# Altium PCB controller_V1.1.PcbDoc (part 2 of 6)
Units mm, origin at the board's own origin, x right, y up, seen from the top; angles counter-clockwise.
Board outline 150 x 150 mm, 2 copper layers (Top Layer, Bottom Layer); 287 components, 242 nets, 1096 pads, 5968 vias.
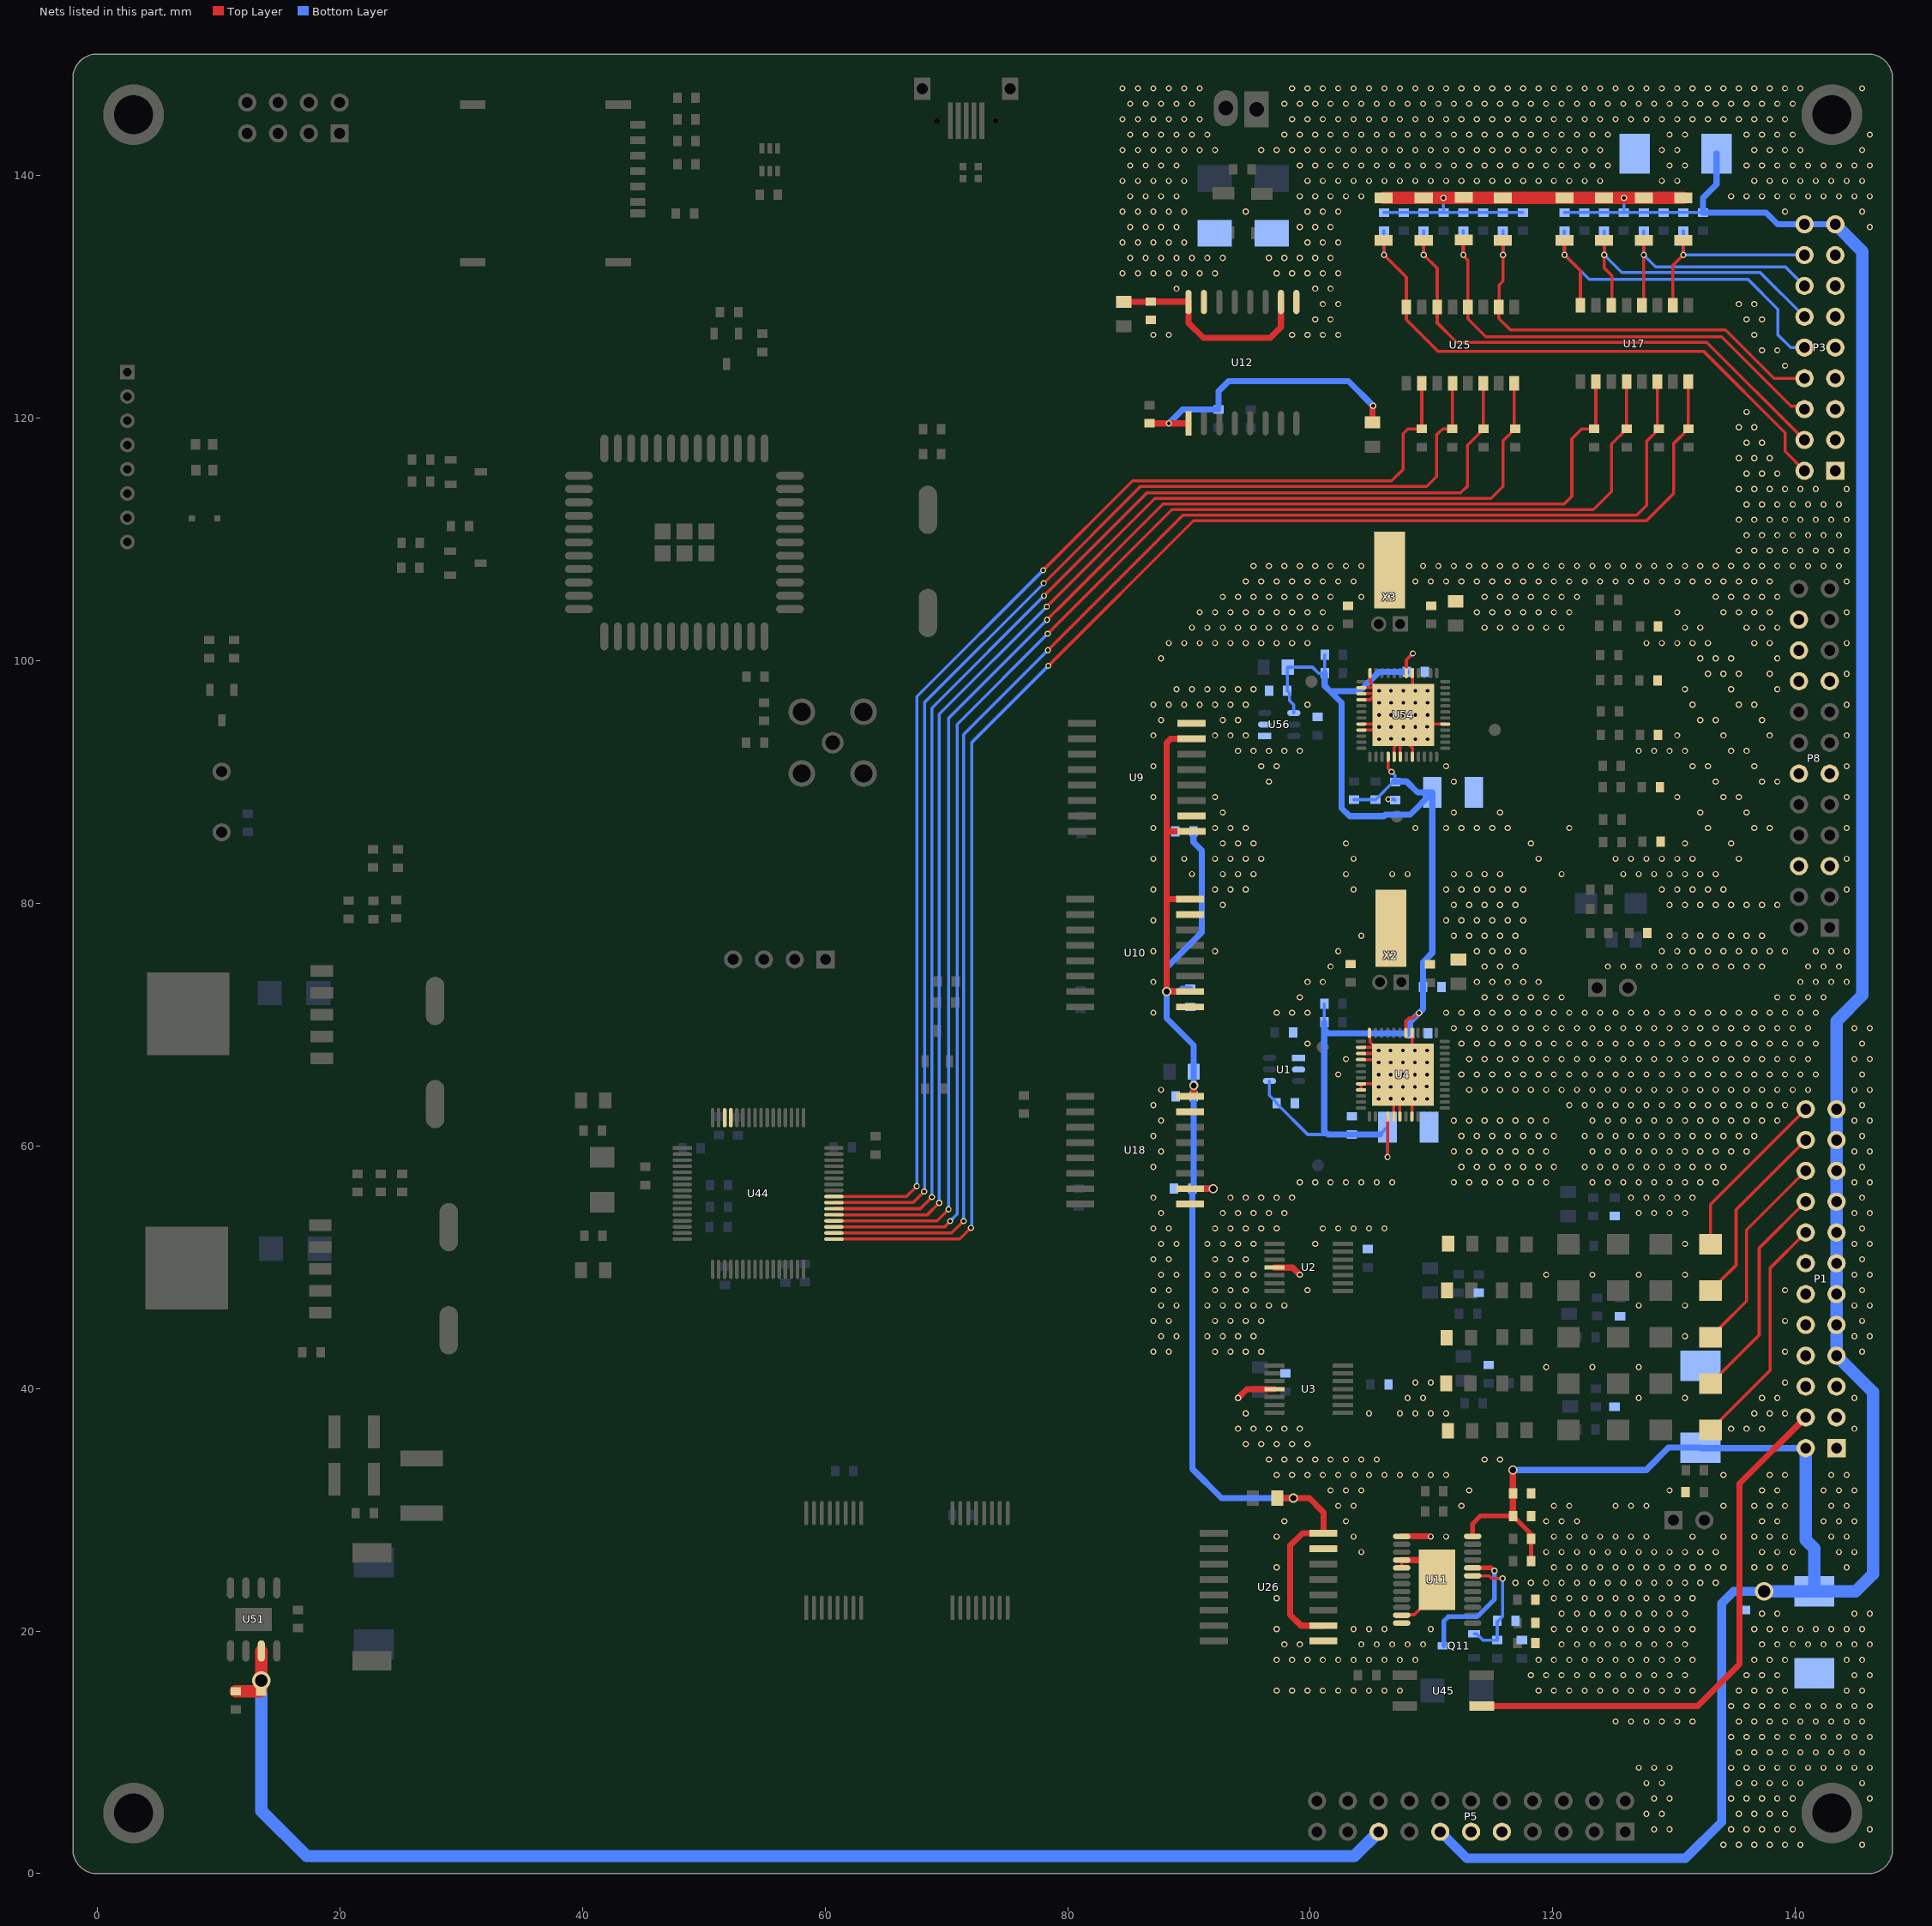
[diagram p2: the nets of this part, all layers, seen from the top]

## Via types
v1: diameter 0.508, hole 0.305, Top Layer to Bottom Layer, tented both sides, 5878 vias
v2: diameter 0.6, hole 0.3, Top Layer to Bottom Layer, 50 vias
v3: diameter 0.762, hole 0.508, Top Layer to Bottom Layer, tented both sides, 30 vias
v4: diameter 1.524, hole 1.016, Top Layer to Bottom Layer, tented both sides, 8 vias
v5: diameter 1.5, hole 1, Top Layer to Bottom Layer, 1 vias
v6: diameter 1.016, hole 0.762, Top Layer to Bottom Layer, tented both sides, 1 vias

## Nets (pads, with @x,y where several pads share a name; then routed paths per layer and width w, separated by ;. In a path a pad name is that pad's centre, name@x,y a point inside that pad or via, vN(x,y) a via of type N, cw(c..) or ccw(c..) an arc to the next point about the centre after c; other vN are vias at no path point) (continued)
5VA: C2.2 C84.2 C85.2 C86.2 C121.2 C133.2 C157.2 E13.1 E14.1 FB2.2 R19.1 R20.1 R73.1 R75.1 R189.1 R190.1 U1.4 U4.6 U4.28 U54.6 U54.28 U56.4 | length 109.1
  Top Layer w0.254: v1(106.375,59.08) 106.385,59.09 U4.28@106.385,62.412 ; U54.28@106.421,92.071 106.421,91.115 v1(106.705,90.83) ; U4.6@107.885,69.312 107.885,70.293 108.126,70.534 108.489,70.534 v1@108.897,70.942 ; U54.6@107.921,98.971 107.921,100.047 v1(108.458,100.584)
  Bottom Layer w0.254: U1.4@96.638,65.344 96.638,64.164 97.227,63.575 C2.2@97.227,63.5 99.794,60.933 101.448,60.933 ; U56.4@98.645,95.684 98.645,96.344 98.293,96.697 98.293,97.318 C157.2@98.108,97.503 98.108,99.417 FB2.2@98.15,99.458 100.186,99.458 100.694,98.95 R75.1@101.194,98.95 R190.1@101.194,100.474 ; R73.1@101.158,70.18 R20.1@101.158,71.704 ; R189.1@103.607,88.536 R19.1@105.385,88.536 106.885,90.036 C85.2@106.909,90.036 ; E14.1@105.754,60.933 E14.1@106.365,61.544 106.375,61.534 v1(106.375,59.08) ; v1(106.705,90.83) 106.985,90.551 106.985,90.036 C85.2@106.985,89.994 ; C121.2@107.947,68.985 C121.2@108.228,69.266 ; C86.2@107.949,99.077 107.949,100.075 v1(108.458,100.584)
  Bottom Layer w0.508: R73.1@101.158,70.18 101.158,69.605 ; R75.1@101.194,98.95 101.194,97.917 101.625,97.485 ; E14.1@105.754,60.933 C84.2@103.444,60.933 101.448,60.933 101.158,61.223 101.158,69.605 ; C85.2@106.909,90.036 106.985,90.036 107.931,90.036 108.839,89.129 E13.1@110.058,89.129 ; C86.2@107.949,99.077 105.681,99.077 104.089,97.485 101.625,97.485 ; 101.158,69.605 101.497,69.266 C121.2@108.228,69.266 108.228,70.204 v1(108.966,70.942) 109.31,71.286 C133.2@109.31,73.101 109.31,75.147 110.058,75.895 E13.1@110.058,89.129 ; 101.625,97.485 102.591,96.52 102.591,87.833 103.251,87.173 106.081,87.173 106.208,87.3 108.229,87.3 E13.1@110.058,89.129
5VD_F: C138.2 C160.2 C164.2 C165.2 FB1.2 FB3.2 U9.1 U9.7 U10.10 U10.16 U18.10 U18.16 U26.10 U26.16 | length 117.3
  Top Layer w0.508: U18.10@90.091,56.464 v3(91.999,56.464) ; U10.10@90.091,72.72 v3(88.163,72.72) 88.163,80.239 ; U10.16@90.091,80.34 88.265,80.34 88.163,80.239 ; U9.1@90.218,85.928 88.29,85.928 88.163,85.801 ; U9.7@90.218,93.548 88.494,93.548 88.163,93.218 88.163,85.801 ; 90.4,64.393 v3(90.4,64.973) ; FB1.2@97.275,30.963 v3(98.603,30.963) 99.924,30.963 101.089,29.798 U26.16@101.089,28.067 99.365,28.067 98.349,27.051 98.349,21.336 99.238,20.447 U26.10@101.089,20.447 ; 88.163,80.239 88.163,85.801
  Bottom Layer w0.508: C160.2@90.091,72.95 89.435,72.95 89.205,72.72 v3(88.163,72.72) ; C138.2@90.375,85.928 90.375,85.038 91.059,84.353 91.059,77.597 88.163,74.701 v3(88.163,72.72) ; v3(91.999,56.464) C164.2@90.273,56.464 ; v3@98.577,30.963 92.685,30.963 90.273,33.374 C164.2@90.273,56.464 ; v3(88.163,72.72) 88.163,70.51 90.392,68.282 FB3.2@90.392,66.116 90.4,66.108 v3(90.4,64.973) C165.2@90.4,64.084 90.4,56.591 C164.2@90.273,56.464
24V_F: C35.2 C36.2 C37.2 C56.1 C63.1 C65.1 C76.1 C78.1 C79.1 C80.1 C96.2 C108.1 C167.2 D4.2 D13.2 D14.2 D15.2 D16.2 D17.2 D18.2 D45.2 D52.2 D75.2 D76.2 P1.2 P1.7 P1.9 P1.11 P1.13 P1.15 P1.17 P1.19 P1.21 P1.23 P3.17 P3.18 P5.13 R81.2 R86.2 R92.2 R96.2 R108.2 R113.2 R115.2 R117.2 U11.24 | length 287.6
  Top Layer w0.381: U11.24@113.386,27.807 113.386,28.855 114.012,29.481 C36.2@116.708,29.481 118.208,27.981 C96.2@118.208,27.618 C35.2@118.208,25.756
  Top Layer w0.508: C36.2@116.708,29.481 C37.2@116.708,31.344 v3(116.708,33.279)
  Top Layer w1.016: D15.2@106.045,138.148 D14.2@109.347,138.148 D4.2@115.875,138.148 D18.2@120.955,138.148 D17.2@124.206,138.148 D16.2@127.508,138.148 D45.2@130.759,138.148
  Bottom Layer w0.254: C65.1@106.07,136.931 R96.2@107.707,136.931 R92.2@110.98,136.931 ; v1@110.973,138.176 110.98,138.169 R92.2@110.98,136.931 ; R81.2@117.526,136.931 R86.2@114.253,136.931 R92.2@110.98,136.931 ; C80.1@120.955,136.931 R117.2@122.588,136.931 R115.2@125.853,136.931 ; v1@125.857,138.148 v1(125.853,138.144) R115.2@125.853,136.931 ; R108.2@132.385,136.931 R113.2@129.119,136.931 R115.2@125.853,136.931
  Bottom Layer w0.508: v3(116.708,33.279) 127.691,33.279 129.538,35.126 D75.2@132.168,35.126 132.217,35.077 P1.2@140.843,35.077 ; D76.2@133.496,141.783 133.496,139.262 132.385,138.151 R108.2@132.385,136.931 137.566,136.931 138.532,135.966 P3.18@140.741,135.966 P3.17@143.281,135.966
  Bottom Layer w0.762: P5.13@110.719,3.454 112.896,1.277 130.93,1.277 133.91,4.256 133.91,22.277 134.899,23.266 v4(137.414,23.266)
  Bottom Layer w1.016: v4(137.414,23.266) D52.2@141.554,23.266 ; P1.2@140.843,35.077 140.843,27.508 141.554,26.797 D52.2@141.554,23.266 ; P3.17@143.281,135.966 145.517,133.731 145.517,72.415 143.383,70.282 P1.23@143.383,63.017 P1.21@143.383,60.477 P1.19@143.383,57.937 P1.17@143.383,55.397 P1.15@143.383,52.857 P1.13@143.383,50.317 P1.11@143.383,47.777 P1.9@143.383,45.237 P1.7@143.383,42.697 146.38,39.7 146.38,24.689 144.958,23.266 D52.2@141.554,23.266
  other v1: 110.98,138.148
24V_IN: C140.2 P5.17 R182.2 U51.7 | length 109.8
  Top Layer w1.016: R182.2@11.422,15.038 13.489,15.038 C140.2@13.538,15.088 ; U51.7@13.536,18.361 13.537,18.36 13.537,15.927 v4(13.538,15.926)
  Bottom Layer w1.016: v4(13.538,15.926) 13.538,5.182 17.272,1.448 103.632,1.448 P5.17@105.639,3.454
485_3.3V3: C45.2 FB7.1 R227.2 U12.1 | length 24.6
  Top Layer w0.508: C45.2@86.764,119.556 v1(88.341,119.556) U12.1@89.963,119.556 ; FB7.1@105.131,119.634 105.131,120.955 v1(105.181,121.006)
  Bottom Layer w0.508: v1(88.341,119.556) 89.487,120.702 R227.2@92.431,120.702 92.431,122.199 93.269,123.038 103.149,123.038 v1(105.181,121.006)
485_5V: C46.2 FB8.1 U12.10 U12.16 | length 17.6
  Top Layer w0.508: FB8.1@84.63,129.565 86.839,129.565 C46.2@86.865,129.592 U12.16@89.93,129.592 ; U12.16@89.964,129.558 89.964,127.827 91.198,126.594 96.698,126.594 97.584,127.48 U12.10@97.584,129.558
AGND: C1.2 C2.1 C6.1 C7.1 C8.1 C17.1 C25.1 C36.1 C37.1 C38.2 C39.2 C40.1 C43.2 C46.1 C47.1 C48.2 C49.1 C58.1 C59.2 C84.1 C85.1 C86.1 C112.1 C121.1 C133.1 C138.1 C151.2 C153.2 C156.2 C157.1 C159.2 C160.1 C164.1 C165.1 C167.1 D52.1 D75.1 D76.1 D78.1 D79.1 E13.2 E14.2 P1.1 P1.3 P1.5 P1.6 P3.1 P3.3 P3.5 P3.7 P3.9 P3.11 P3.13 P3.15 P5.9 P5.11 P8.5 P8.6 P8.11 P8.12 P8.17 P8.18 P8.20 P8.22 R6.1 R12.1 R14.1 R18.1 R23.1 R71.2 R89.1 R199.1 R200.1 R211.1 R212.1 R223.1 R224.1 U1.1 U1.2 U2.11 U3.11 U4.5 U4.12 U4.14 U4.15 U4.16 U4.20 U4.21 U4.29 U4.30 U4.32 U4.49 U9.2 U9.8 U10.9 U10.15 U11.1 U11.4 U11.5 U11.11 U11.12 U11.25 U12.9 U12.15 U18.9 U18.15 U26.9 U26.15 U54.5 U54.12 U54.14 U54.15 U54.16 U54.20 U54.21 U54.29 U54.30 U54.32 U54.41 U54.49 U56.1 U56.2 X2.3 X3.3 | length 52.7
  Top Layer w0.254: U4.21@104.185,64.612 U4.20@104.185,65.112 105.385,65.112 v2(105.635,64.862) ; U4.16@104.185,67.112 105.385,67.112 v2(105.635,66.862) ; U4.15@104.185,67.612 105.385,67.612 v2(105.635,67.862) ; U4.14@104.185,68.112 U4.49@105.385,68.112 ; U54.21@104.221,94.271 105.421,94.271 v2(105.671,94.521) 105.421,94.771 U54.20@104.221,94.771 ; U54.16@104.221,96.771 104.958,96.771 105.671,97.484 v2(105.671,97.521) ; U54.15@104.221,97.271 105.421,97.271 v2(105.671,97.521) ; U54.14@104.221,97.771 U54.49@105.421,97.771 ; U4.12@104.885,69.312 104.89,69.307 104.89,68.857 104.94,68.807 104.94,68.557 U4.49@105.385,68.112 ; U54.12@104.921,98.971 104.926,98.966 104.926,98.516 104.976,98.466 104.976,98.216 U54.49@105.421,97.771 ; v2(106.635,63.892) 106.885,63.642 U4.29@106.885,62.412 ; U54.29@106.921,92.071 106.921,92.838 107.604,93.521 v2(107.671,93.521) ; U4.30@107.385,62.412 107.385,63.612 v2(107.635,63.862) ; U54.30@107.421,92.071 107.421,93.271 v2(107.671,93.521) ; U11.11@107.536,21.307 107.574,21.344 108.574,21.344 110.461,23.232 U11.25@110.461,24.232 ; U11.5@107.536,25.207 U11.4@107.536,25.857 ; v2(107.635,65.862) v2(106.635,66.862) v2(105.635,67.862) ; U4.32@108.385,62.412 108.385,63.612 v2(108.635,63.862) ; U4.5@108.385,69.312 108.385,68.112 v2(108.635,67.862) ; U54.32@108.421,92.071 108.421,92.808 107.708,93.521 v2(107.671,93.521) ; U54.5@108.421,98.971 108.421,97.771 v2(108.671,97.521) ; v2(109.641,94.551) 109.861,94.771 U54.41@111.121,94.771 ; U4.49@105.385,68.112 v2(105.635,67.862) ; U54.49@105.421,97.771 v2(105.671,97.521)
  Top Layer w0.508: v1(94.054,39.218) 94.782,39.946 U3.11@97.051,39.946 ; U2.11@97.051,49.979 97.066,49.964 98.547,49.964 v1(99.134,49.378) ; U11.4@107.536,25.857 109.215,25.857 110.461,24.611 U11.25@110.461,24.232 ; U11.1@107.536,27.807 109.91,27.807 v1(109.929,27.788)
  Bottom Layer w0.254: v1@106.35,88.57 106.909,88.57 C85.1@106.985,88.494
  other v1: 134.059,2.388 135.329,2.388 136.599,2.388 137.869,2.388 139.139,2.388 140.409,2.388 145.489,2.388 128.344,3.658 129.614,3.658 134.694,3.658 135.964,3.658 137.234,3.658 138.504,3.658 139.774,3.658 146.124,3.658 127.709,4.928 128.979,4.928 135.329,4.928 136.599,4.928 137.869,4.928 139.139,4.928 128.344,6.198 129.614,6.198 134.694,6.198 135.964,6.198 137.234,6.198 138.504,6.198 139.774,6.198 146.124,6.198 127.709,7.468 128.979,7.468 135.329,7.468 136.599,7.468 137.869,7.468 139.139,7.468 140.409,7.468 145.489,7.468 127.074,8.738 128.344,8.738 129.614,8.738 134.694,8.738 135.964,8.738 137.234,8.738 138.504,8.738 139.774,8.738 141.044,8.738 142.314,8.738 143.584,8.738 144.854,8.738 146.124,8.738 135.329,10.008 136.599,10.008 137.869,10.008 139.139,10.008 140.409,10.008 141.679,10.008 142.949,10.008 144.219,10.008 145.489,10.008 134.694,11.278 135.964,11.278 137.234,11.278 138.504,11.278 139.774,11.278 141.044,11.278 142.314,11.278 143.584,11.278 144.854,11.278 146.124,11.278 125.169,12.548 126.439,12.548 127.709,12.548 128.979,12.548 130.249,12.548 131.519,12.548 135.329,12.548 136.599,12.548 137.869,12.548 139.139,12.548 140.409,12.548 141.679,12.548 142.949,12.548 144.219,12.548 145.489,12.548 134.694,13.818 135.964,13.818 137.234,13.818 138.504,13.818 139.774,13.818 141.044,13.818 142.314,13.818 143.584,13.818 144.854,13.818 146.124,13.818 97.229,15.088 98.499,15.088 99.769,15.088 101.039,15.088 102.309,15.088 103.579,15.088 104.849,15.088 106.119,15.088 107.389,15.088 118.819,15.088 120.089,15.088 121.359,15.088 122.629,15.088 123.899,15.088 125.169,15.088 126.439,15.088 127.709,15.088 128.979,15.088 130.249,15.088 131.519,15.088 135.329,15.088 136.599,15.088 137.869,15.088 139.139,15.088 144.219,15.088 145.489,15.088 118.184,16.358 119.454,16.358 120.724,16.358 121.994,16.358 123.264,16.358 124.534,16.358 125.804,16.358 127.074,16.358 128.344,16.358 129.614,16.358 130.884,16.358 135.964,16.358 137.234,16.358 138.504,16.358 144.854,16.358 146.124,16.358 97.229,17.628 98.499,17.628 99.769,17.628 101.039,17.628 102.309,17.628 103.579,17.628 104.849,17.628 106.119,17.628 107.389,17.628 108.659,17.628 118.819,17.628 120.089,17.628 121.359,17.628 122.629,17.628 123.899,17.628 125.169,17.628 126.439,17.628 127.709,17.628 128.979,17.628 130.249,17.628 131.519,17.628 136.599,17.628 137.869,17.628 139.139,17.628 144.219,17.628 145.489,17.628 97.864,18.898 99.134,18.898 104.214,18.898 105.484,18.898 106.754,18.898 108.024,18.898 109.294,18.898 120.724,18.898 121.994,18.898 123.264,18.898 124.534,18.898 125.804,18.898 127.074,18.898 128.344,18.898 129.614,18.898 130.884,18.898 137.234,18.898 138.504,18.898 139.774,18.898 141.044,18.898 142.314,18.898 143.584,18.898 144.854,18.898 146.124,18.898 97.229,20.168 103.579,20.168 104.849,20.168 106.119,20.168 109.929,20.168 120.089,20.168 121.359,20.168 122.629,20.168 123.899,20.168 125.169,20.168 126.439,20.168 127.709,20.168 128.979,20.168 130.249,20.168 131.519,20.168 136.599,20.168 137.869,20.168 139.139,20.168 140.409,20.168 141.679,20.168 142.949,20.168 144.219,20.168 145.489,20.168 120.724,21.438 121.994,21.438 123.264,21.438 124.534,21.438 125.804,21.438 127.074,21.438 128.344,21.438 129.614,21.438 130.884,21.438 137.234,21.438 138.504,21.438 144.854,21.438 146.124,21.438 97.229,22.708 120.089,22.708 121.359,22.708 122.629,22.708 123.899,22.708 125.169,22.708 126.439,22.708 127.709,22.708 128.979,22.708 130.249,22.708 131.519,22.708 116.914,23.978 118.184,23.978 119.454,23.978 120.724,23.978 121.994,23.978 123.264,23.978 124.534,23.978 125.804,23.978 127.074,23.978 128.344,23.978 129.614,23.978 130.884,23.978 132.154,23.978 133.424,23.978 97.229,25.248 120.089,25.248 121.359,25.248 122.629,25.248 123.899,25.248 125.169,25.248 126.439,25.248 127.709,25.248 128.979,25.248 130.249,25.248 131.519,25.248 132.789,25.248 134.059,25.248 136.599,25.248 137.869,25.248 139.139,25.248 144.219,25.248 104.214,26.518 119.454,26.518 120.724,26.518 121.994,26.518 123.264,26.518 124.534,26.518 125.804,26.518 127.074,26.518 128.344,26.518 129.614,26.518 130.884,26.518 132.154,26.518 133.424,26.518 137.234,26.518 138.504,26.518 139.774,26.518 143.584,26.518 144.854,26.518 97.229,27.788 103.579,27.788 111.199,27.788 120.089,27.788 121.359,27.788 122.629,27.788 123.899,27.788 125.169,27.788 126.439,27.788 127.709,27.788 131.519,27.788 134.059,27.788 136.599,27.788 137.869,27.788 139.139,27.788 142.949,27.788 144.219,27.788 97.864,29.058 102.944,29.058 119.454,29.058 120.724,29.058 121.994,29.058 137.234,29.058 138.504,29.058 142.314,29.058 143.584,29.058 144.854,29.058 102.309,30.328 103.579,30.328 112.469,30.328 120.089,30.328 121.359,30.328 125.169,30.328 126.439,30.328 127.709,30.328 134.059,30.328 136.599,30.328 137.869,30.328 139.139,30.328 142.949,30.328 144.219,30.328 101.674,31.598 102.944,31.598 104.214,31.598 113.104,31.598 129.614,31.598 137.234,31.598 138.504,31.598 142.314,31.598 143.584,31.598 144.854,31.598 97.229,32.868 98.499,32.868 99.769,32.868 101.039,32.868 102.309,32.868 103.579,32.868 104.849,32.868 106.119,32.868 107.389,32.868 108.659,32.868 109.929,32.868 111.199,32.868 134.059,32.868 137.869,32.868 139.139,32.868 142.949,32.868 144.219,32.868 96.594,34.138 97.864,34.138 99.134,34.138 100.404,34.138 101.674,34.138 102.944,34.138 104.214,34.138 105.484,34.138 114.374,34.138 115.644,34.138 94.689,35.408 95.959,35.408 97.229,35.408 98.499,35.408 99.769,35.408 94.054,36.678 95.324,36.678 96.594,36.678 97.864,36.678 99.134,36.678 134.694,36.678 135.964,36.678 137.234,36.678 144.854,36.678 94.689,37.948 104.849,37.948 107.389,37.948 108.659,37.948 109.929,37.948 111.199,37.948 136.599,37.948 137.869,37.948 139.139,37.948 108.024,39.218 109.294,39.218 127.074,39.218 130.884,39.218 137.234,39.218 138.504,39.218 144.854,39.218 108.659,40.488 109.929,40.488 139.139,40.488 119.454,41.758 123.264,41.758 127.074,41.758 87.069,43.028 88.339,43.028 92.149,43.028 93.419,43.028 94.689,43.028 95.959,43.028 139.139,43.028 145.489,43.028 87.704,44.298 88.974,44.298 91.514,44.298 92.784,44.298 94.054,44.298 95.324,44.298 130.884,44.298 144.854,44.298 146.124,44.298 87.069,45.568 88.339,45.568 92.149,45.568 93.419,45.568 94.689,45.568 95.959,45.568 139.139,45.568 145.489,45.568 87.704,46.838 88.974,46.838 91.514,46.838 92.784,46.838 94.054,46.838 95.324,46.838 96.594,46.838 97.864,46.838 127.074,46.838 130.884,46.838 144.854,46.838 146.124,46.838 87.069,48.108 88.339,48.108 92.149,48.108 93.419,48.108 94.689,48.108 99.769,48.108 139.139,48.108 145.489,48.108 87.704,49.378 88.974,49.378 91.514,49.378 92.784,49.378 94.054,49.378 95.324,49.378 119.454,49.378 123.264,49.378 127.074,49.378 130.884,49.378 144.854,49.378 146.124,49.378 87.069,50.648 88.339,50.648 92.149,50.648 93.419,50.648 94.689,50.648 145.489,50.648 87.704,51.918 88.974,51.918 91.514,51.918 92.784,51.918 94.054,51.918 95.324,51.918 100.404,51.918 130.884,51.918 144.854,51.918 146.124,51.918 87.069,53.188 88.339,53.188 92.149,53.188 93.419,53.188 94.689,53.188 95.959,53.188 97.229,53.188 101.039,53.188 102.309,53.188 103.579,53.188 104.849,53.188 106.119,53.188 145.489,53.188 87.704,54.458 92.784,54.458 94.054,54.458 95.324,54.458 96.594,54.458 97.864,54.458 127.074,54.458 128.344,54.458 129.614,54.458 130.884,54.458 144.854,54.458 146.124,54.458 87.069,55.728 93.419,55.728 94.689,55.728 95.959,55.728 97.229,55.728 98.499,55.728 126.439,55.728 127.709,55.728 128.979,55.728 130.249,55.728 131.519,55.728 145.489,55.728 99.134,56.998 100.404,56.998 101.674,56.998 102.944,56.998 104.214,56.998 105.484,56.998 106.754,56.998 111.834,56.998 113.104,56.998 114.374,56.998 115.644,56.998 116.914,56.998 118.184,56.998 119.454,56.998 123.264,56.998 124.534,56.998 125.804,56.998 127.074,56.998 128.344,56.998 129.614,56.998 130.884,56.998 132.154,56.998 133.424,56.998 144.854,56.998 146.124,56.998 87.069,58.268 112.469,58.268 113.739,58.268 115.009,58.268 116.279,58.268 117.549,58.268 118.819,58.268 120.089,58.268 122.629,58.268 123.899,58.268 125.169,58.268 126.439,58.268 127.709,58.268 128.979,58.268 130.249,58.268 131.519,58.268 132.789,58.268 134.059,58.268 145.489,58.268 87.704,59.538 111.834,59.538 113.104,59.538 114.374,59.538 115.644,59.538 116.914,59.538 118.184,59.538 119.454,59.538 123.264,59.538 124.534,59.538 125.804,59.538 127.074,59.538 128.344,59.538 129.614,59.538 130.884,59.538 132.154,59.538 133.424,59.538 134.694,59.538 135.964,59.538 144.854,59.538 146.124,59.538 87.069,60.808 112.469,60.808 113.739,60.808 115.009,60.808 116.279,60.808 117.549,60.808 118.819,60.808 120.089,60.808 122.629,60.808 123.899,60.808 125.169,60.808 126.439,60.808 127.709,60.808 128.979,60.808 130.249,60.808 131.519,60.808 132.789,60.808 134.059,60.808 135.329,60.808 136.599,60.808 145.489,60.808 87.704,62.078 111.834,62.078 113.104,62.078 114.374,62.078 115.644,62.078 116.914,62.078 118.184,62.078 119.454,62.078 123.264,62.078 124.534,62.078 125.804,62.078 127.074,62.078 128.344,62.078 129.614,62.078 130.884,62.078 132.154,62.078 133.424,62.078 134.694,62.078 135.964,62.078 137.234,62.078 138.504,62.078 144.854,62.078 146.124,62.078 87.069,63.348 121.359,63.348 122.629,63.348 123.899,63.348 125.169,63.348 126.439,63.348 127.709,63.348 128.979,63.348 130.249,63.348 131.519,63.348 132.789,63.348 134.059,63.348 135.329,63.348 136.599,63.348 137.869,63.348 139.139,63.348 145.489,63.348 87.704,64.618 113.104,64.618 114.374,64.618 115.644,64.618 116.914,64.618 118.184,64.618 119.454,64.618 120.724,64.618 121.994,64.618 123.264,64.618 124.534,64.618 125.804,64.618 127.074,64.618 128.344,64.618 129.614,64.618 130.884,64.618 132.154,64.618 133.424,64.618 134.694,64.618 135.964,64.618 137.234,64.618 138.504,64.618 139.774,64.618 141.044,64.618 144.854,64.618 146.124,64.618 102.309,65.888 112.469,65.888 113.739,65.888 115.009,65.888 116.279,65.888 117.549,65.888 118.819,65.888 120.089,65.888 121.359,65.888 122.629,65.888 123.899,65.888 125.169,65.888 126.439,65.888 127.709,65.888 128.979,65.888 130.249,65.888 131.519,65.888 132.789,65.888 134.059,65.888 135.329,65.888 136.599,65.888 137.869,65.888 139.139,65.888 140.409,65.888 141.679,65.888 145.489,65.888 102.944,67.158 113.104,67.158 114.374,67.158 115.644,67.158 116.914,67.158 118.184,67.158 119.454,67.158 120.724,67.158 121.994,67.158 123.264,67.158 124.534,67.158 125.804,67.158 127.074,67.158 128.344,67.158 129.614,67.158 130.884,67.158 132.154,67.158 133.424,67.158 134.694,67.158 135.964,67.158 137.234,67.158 138.504,67.158 139.774,67.158 141.044,67.158 144.854,67.158 146.124,67.158 99.769,68.428 112.469,68.428 113.739,68.428 115.009,68.428 116.279,68.428 117.549,68.428 118.819,68.428 120.089,68.428 121.359,68.428 122.629,68.428 123.899,68.428 125.169,68.428 126.439,68.428 127.709,68.428 128.979,68.428 130.249,68.428 131.519,68.428 132.789,68.428 134.059,68.428 135.329,68.428 136.599,68.428 137.869,68.428 139.139,68.428 140.409,68.428 141.679,68.428 145.489,68.428 111.834,69.698 113.104,69.698 114.374,69.698 115.644,69.698 116.914,69.698 118.184,69.698 119.454,69.698 120.724,69.698 121.994,69.698 123.264,69.698 124.534,69.698 125.804,69.698 127.074,69.698 128.344,69.698 129.614,69.698 130.884,69.698 132.154,69.698 133.424,69.698 134.694,69.698 135.964,69.698 137.234,69.698 138.504,69.698 139.774,69.698 141.044,69.698 144.854,69.698 146.124,69.698 87.069,70.968 97.229,70.968 98.499,70.968 99.769,70.968 111.199,70.968 112.469,70.968 113.739,70.968 115.009,70.968 116.279,70.968 117.549,70.968 118.819,70.968 120.089,70.968 121.359,70.968 122.629,70.968 123.899,70.968 125.169,70.968 126.439,70.968 127.709,70.968 128.979,70.968 130.249,70.968 131.519,70.968 132.789,70.968 134.059,70.968 135.329,70.968 136.599,70.968 137.869,70.968 139.139,70.968 140.409,70.968 141.679,70.968 99.134,72.238 114.374,72.238 115.644,72.238 116.914,72.238 118.184,72.238 119.454,72.238 120.724,72.238 138.504,72.238 139.774,72.238 141.044,72.238 142.314,72.238 87.069,73.508 99.769,73.508 101.039,73.508 113.739,73.508 115.009,73.508 116.279,73.508 117.549,73.508 118.819,73.508 140.409,73.508 141.679,73.508 142.949,73.508 144.219,73.508 101.674,74.778 114.374,74.778 115.644,74.778 116.914,74.778 124.534,74.778 125.804,74.778 127.074,74.778 128.344,74.778 129.614,74.778 130.884,74.778 132.154,74.778 133.424,74.778 134.694,74.778 135.964,74.778 137.234,74.778 141.044,74.778 142.314,74.778 143.584,74.778 87.069,76.048 92.149,76.048 102.309,76.048 113.739,76.048 115.009,76.048 116.279,76.048 117.549,76.048 128.979,76.048 130.249,76.048 131.519,76.048 132.789,76.048 134.059,76.048 135.329,76.048 136.599,76.048 137.869,76.048 139.139,76.048 141.679,76.048 142.949,76.048 144.219,76.048 104.214,77.318 111.834,77.318 113.104,77.318 114.374,77.318 115.644,77.318 116.914,77.318 129.614,77.318 130.884,77.318 132.154,77.318 133.424,77.318 134.694,77.318 135.964,77.318 137.234,77.318 87.069,78.588 111.199,78.588 112.469,78.588 113.739,78.588 115.009,78.588 116.279,78.588 117.549,78.588 92.784,79.858 111.834,79.858 113.104,79.858 114.374,79.858 115.644,79.858 116.914,79.858 129.614,79.858 130.884,79.858 132.154,79.858 133.424,79.858 134.694,79.858 135.964,79.858 137.234,79.858 138.504,79.858 87.069,81.128 92.149,81.128 93.419,81.128 94.689,81.128 103.579,81.128 111.199,81.128 112.469,81.128 113.739,81.128 115.009,81.128 116.279,81.128 117.549,81.128 128.979,81.128 130.249,81.128 131.519,81.128 132.789,81.128 134.059,81.128 144.219,81.128 90.244,82.398 92.784,82.398 94.054,82.398 95.324,82.398 102.944,82.398 106.754,82.398 108.024,82.398 111.834,82.398 113.104,82.398 114.374,82.398 115.644,82.398 120.724,82.398 125.804,82.398 127.074,82.398 128.344,82.398 129.614,82.398 130.884,82.398 132.154,82.398 133.424,82.398 87.069,83.668 89.609,83.668 92.149,83.668 93.419,83.668 94.689,83.668 95.959,83.668 103.579,83.668 118.819,83.668 125.169,83.668 126.439,83.668 127.709,83.668 128.979,83.668 130.249,83.668 131.519,83.668 135.329,83.668 144.219,83.668 92.784,84.938 94.054,84.938 95.324,84.938 102.944,84.938 118.184,84.938 130.884,84.938 134.694,84.938 87.069,86.208 92.149,86.208 93.419,86.208 94.689,86.208 108.659,86.208 111.199,86.208 112.469,86.208 113.739,86.208 115.009,86.208 116.279,86.208 121.359,86.208 132.789,86.208 136.599,86.208 137.869,86.208 144.219,86.208 92.784,87.478 111.834,87.478 115.644,87.478 132.154,87.478 135.964,87.478 106.435,88.57 87.069,88.748 92.149,88.748 130.249,88.748 134.059,88.748 135.329,88.748 144.219,88.748 96.594,90.018 111.834,90.018 133.424,90.018 137.234,90.018 138.504,90.018 87.069,91.288 95.959,91.288 97.229,91.288 111.199,91.288 131.519,91.288 132.789,91.288 136.599,91.288 144.219,91.288 94.054,92.558 95.324,92.558 96.594,92.558 97.864,92.558 99.134,92.558 127.074,92.558 128.344,92.558 129.614,92.558 130.884,92.558 134.694,92.558 135.964,92.558 87.069,93.828 92.149,93.828 93.419,93.828 94.689,93.828 130.249,93.828 134.059,93.828 137.869,93.828 144.219,93.828 87.704,95.098 92.784,95.098 94.054,95.098 132.154,95.098 133.424,95.098 137.234,95.098 87.069,96.368 88.339,96.368 89.609,96.368 90.879,96.368 92.149,96.368 93.419,96.368 94.689,96.368 99.769,96.368 131.519,96.368 135.329,96.368 136.599,96.368 144.219,96.368 88.974,97.638 90.244,97.638 91.514,97.638 92.784,97.638 94.054,97.638 95.324,97.638 130.884,97.638 134.694,97.638 138.504,97.638 132.789,98.908 134.059,98.908 135.329,98.908 137.869,98.908 144.219,98.908 87.704,100.178 132.154,100.178 133.424,100.178 134.694,100.178 138.504,100.178 88.339,101.448 89.609,101.448 90.879,101.448 92.149,101.448 93.419,101.448 94.689,101.448 95.959,101.448 97.229,101.448 98.499,101.448 99.769,101.448 127.709,101.448 128.979,101.448 130.249,101.448 131.519,101.448 132.789,101.448 136.599,101.448 137.869,101.448 144.219,101.448 90.244,102.718 91.514,102.718 92.784,102.718 94.054,102.718 95.324,102.718 96.594,102.718 97.864,102.718 99.134,102.718 100.404,102.718 101.674,102.718 114.374,102.718 115.644,102.718 116.914,102.718 118.184,102.718 119.454,102.718 120.724,102.718 130.884,102.718 132.154,102.718 135.964,102.718 137.234,102.718 138.504,102.718 90.879,103.988 92.149,103.988 93.419,103.988 94.689,103.988 95.959,103.988 97.229,103.988 98.499,103.988 99.769,103.988 101.039,103.988 113.739,103.988 115.009,103.988 116.279,103.988 117.549,103.988 118.819,103.988 120.089,103.988 121.359,103.988 130.249,103.988 134.059,103.988 135.329,103.988 136.599,103.988 137.869,103.988 144.219,103.988 92.784,105.258 94.054,105.258 95.324,105.258 96.594,105.258 97.864,105.258 99.134,105.258 100.404,105.258 101.674,105.258 104.214,105.258 114.374,105.258 115.644,105.258 116.914,105.258 118.184,105.258 119.454,105.258 120.724,105.258 121.994,105.258 133.424,105.258 134.694,105.258 135.964,105.258 137.234,105.258 138.504,105.258 94.689,106.528 95.959,106.528 97.229,106.528 98.499,106.528 99.769,106.528 101.039,106.528 102.309,106.528 103.579,106.528 108.659,106.528 109.929,106.528 111.199,106.528 112.469,106.528 113.739,106.528 115.009,106.528 116.279,106.528 117.549,106.528 118.819,106.528 120.089,106.528 121.359,106.528 122.629,106.528 123.899,106.528 125.169,106.528 126.439,106.528 127.709,106.528 128.979,106.528 130.249,106.528 131.519,106.528 132.789,106.528 134.059,106.528 135.329,106.528 136.599,106.528 137.869,106.528 144.219,106.528 95.324,107.798 96.594,107.798 97.864,107.798 99.134,107.798 100.404,107.798 101.674,107.798 102.944,107.798 104.214,107.798 109.294,107.798 110.564,107.798 111.834,107.798 113.104,107.798 114.374,107.798 115.644,107.798 116.914,107.798 118.184,107.798 119.454,107.798 120.724,107.798 121.994,107.798 123.264,107.798 124.534,107.798 125.804,107.798 127.074,107.798 128.344,107.798 129.614,107.798 130.884,107.798 132.154,107.798 133.424,107.798 134.694,107.798 135.964,107.798 137.234,107.798 138.504,107.798 139.774,107.798 141.044,107.798 142.314,107.798 143.584,107.798 135.329,109.068 136.599,109.068 137.869,109.068 139.139,109.068 140.409,109.068 141.679,109.068 142.949,109.068 144.219,109.068 135.964,110.338 137.234,110.338 138.504,110.338 139.774,110.338 141.044,110.338 142.314,110.338 143.584,110.338 135.329,111.608 136.599,111.608 137.869,111.608 139.139,111.608 140.409,111.608 141.679,111.608 142.949,111.608 144.219,111.608 135.964,112.878 137.234,112.878 138.504,112.878 139.774,112.878 141.044,112.878 142.314,112.878 143.584,112.878 135.329,114.148 136.599,114.148 137.869,114.148 139.139,114.148 140.409,114.148 141.679,114.148 144.219,114.148 135.964,115.418 137.234,115.418 138.504,115.418 135.329,116.688 136.599,116.688 137.869,116.688 135.964,117.958 137.234,117.958 135.329,119.228 136.599,119.228 135.964,120.498 139.139,124.308 137.234,125.578 138.504,125.578 87.069,126.848 88.339,126.848 98.499,126.848 99.769,126.848 101.039,126.848 102.309,126.848 136.599,126.848 100.404,128.118 101.674,128.118 135.964,128.118 137.234,128.118 101.039,129.388 102.309,129.388 135.329,129.388 136.599,129.388 88.974,130.658 100.404,130.658 101.674,130.658 84.529,131.928 85.799,131.928 87.069,131.928 88.339,131.928 89.609,131.928 90.879,131.928 92.149,131.928 97.229,131.928 98.499,131.928 99.769,131.928 101.039,131.928 102.309,131.928 85.164,133.198 86.434,133.198 87.704,133.198 88.974,133.198 90.244,133.198 91.514,133.198 92.784,133.198 96.594,133.198 97.864,133.198 99.134,133.198 100.404,133.198 101.674,133.198 84.529,134.468 85.799,134.468 87.069,134.468 88.339,134.468 89.609,134.468 99.769,134.468 101.039,134.468 102.309,134.468 85.164,135.738 86.434,135.738 87.704,135.738 88.974,135.738 99.134,135.738 100.404,135.738 101.674,135.738 146.124,135.738 84.529,137.008 85.799,137.008 87.069,137.008 88.339,137.008 89.609,137.008 94.689,137.008 99.769,137.008 101.039,137.008 102.309,137.008 139.139,137.008 145.489,137.008 85.164,138.278 86.434,138.278 87.704,138.278 88.974,138.278 99.134,138.278 100.404,138.278 101.674,138.278 102.944,138.278 104.214,138.278 134.694,138.278 135.964,138.278 137.234,138.278 138.504,138.278 139.774,138.278 141.044,138.278 142.314,138.278 143.584,138.278 144.854,138.278 146.124,138.278 84.529,139.548 85.799,139.548 87.069,139.548 88.339,139.548 89.609,139.548 99.769,139.548 101.039,139.548 102.309,139.548 103.579,139.548 104.849,139.548 106.119,139.548 107.389,139.548 108.659,139.548 109.929,139.548 111.199,139.548 112.469,139.548 113.739,139.548 115.009,139.548 116.279,139.548 117.549,139.548 118.819,139.548 120.089,139.548 121.359,139.548 122.629,139.548 123.899,139.548 128.979,139.548 130.249,139.548 136.599,139.548 137.869,139.548 139.139,139.548 140.409,139.548 141.679,139.548 142.949,139.548 144.219,139.548 145.489,139.548 85.164,140.818 86.434,140.818 87.704,140.818 88.974,140.818 99.134,140.818 100.404,140.818 101.674,140.818 102.944,140.818 104.214,140.818 105.484,140.818 106.754,140.818 108.024,140.818 109.294,140.818 110.564,140.818 111.834,140.818 113.104,140.818 114.374,140.818 115.644,140.818 116.914,140.818 118.184,140.818 119.454,140.818 120.724,140.818 121.994,140.818 123.264,140.818 124.534,140.818 129.614,140.818 130.884,140.818 135.964,140.818 137.234,140.818 138.504,140.818 139.774,140.818 141.044,140.818 142.314,140.818 143.584,140.818 144.854,140.818 146.124,140.818 84.529,142.088 85.799,142.088 87.069,142.088 88.339,142.088 89.609,142.088 90.879,142.088 92.149,142.088 95.959,142.088 97.229,142.088 98.499,142.088 99.769,142.088 101.039,142.088 102.309,142.088 103.579,142.088 104.849,142.088 106.119,142.088 107.389,142.088 108.659,142.088 109.929,142.088 111.199,142.088 112.469,142.088 113.739,142.088 115.009,142.088 116.279,142.088 117.549,142.088 118.819,142.088 120.089,142.088 121.359,142.088 122.629,142.088 123.899,142.088 128.979,142.088 130.249,142.088 136.599,142.088 137.869,142.088 139.139,142.088 140.409,142.088 145.489,142.088 85.164,143.358 86.434,143.358 87.704,143.358 88.974,143.358 90.244,143.358 91.514,143.358 97.864,143.358 99.134,143.358 100.404,143.358 101.674,143.358 102.944,143.358 104.214,143.358 105.484,143.358 106.754,143.358 108.024,143.358 109.294,143.358 110.564,143.358 111.834,143.358 113.104,143.358 114.374,143.358 115.644,143.358 116.914,143.358 118.184,143.358 119.454,143.358 120.724,143.358 121.994,143.358 123.264,143.358 124.534,143.358 129.614,143.358 130.884,143.358 135.964,143.358 137.234,143.358 138.504,143.358 139.774,143.358 146.124,143.358 84.529,144.628 85.799,144.628 87.069,144.628 88.339,144.628 89.609,144.628 90.879,144.628 98.499,144.628 99.769,144.628 101.039,144.628 102.309,144.628 103.579,144.628 104.849,144.628 106.119,144.628 107.389,144.628 108.659,144.628 109.929,144.628 111.199,144.628 112.469,144.628 113.739,144.628 115.009,144.628 116.279,144.628 117.549,144.628 118.819,144.628 120.089,144.628 121.359,144.628 122.629,144.628 123.899,144.628 125.169,144.628 126.439,144.628 127.709,144.628 128.979,144.628 130.249,144.628 131.519,144.628 132.789,144.628 134.059,144.628 135.329,144.628 136.599,144.628 137.869,144.628 139.139,144.628 85.164,145.898 86.434,145.898 87.704,145.898 88.974,145.898 90.244,145.898 97.864,145.898 99.134,145.898 100.404,145.898 101.674,145.898 102.944,145.898 104.214,145.898 105.484,145.898 106.754,145.898 108.024,145.898 109.294,145.898 110.564,145.898 111.834,145.898 113.104,145.898 114.374,145.898 115.644,145.898 116.914,145.898 118.184,145.898 119.454,145.898 120.724,145.898 121.994,145.898 123.264,145.898 124.534,145.898 125.804,145.898 127.074,145.898 128.344,145.898 129.614,145.898 130.884,145.898 132.154,145.898 133.424,145.898 134.694,145.898 135.964,145.898 137.234,145.898 138.504,145.898 139.774,145.898 84.529,147.168 85.799,147.168 87.069,147.168 88.339,147.168 89.609,147.168 90.879,147.168 98.499,147.168 99.769,147.168 101.039,147.168 102.309,147.168 103.579,147.168 104.849,147.168 106.119,147.168 107.389,147.168 108.659,147.168 109.929,147.168 111.199,147.168 112.469,147.168 113.739,147.168 115.009,147.168 116.279,147.168 117.549,147.168 118.819,147.168 120.089,147.168 121.359,147.168 122.629,147.168 123.899,147.168 125.169,147.168 126.439,147.168 127.709,147.168 128.979,147.168 130.249,147.168 131.519,147.168 132.789,147.168 134.059,147.168 135.329,147.168 136.599,147.168 137.869,147.168 139.139,147.168 140.409,147.168 145.489,147.168
  other v2: 105.635,63.862 109.635,63.862 106.635,64.862 107.635,64.862 108.635,64.862 109.605,64.892 105.635,65.862 106.635,65.862 108.635,65.862 109.635,65.862 107.635,66.862 108.635,66.862 109.635,66.862 106.605,67.862 107.635,67.862 109.635,67.862 105.671,93.521 108.671,93.521 109.671,93.521 106.671,93.551 106.671,94.521 107.671,94.521 108.671,94.521 105.671,95.521 106.671,95.521 107.671,95.521 108.671,95.521 109.671,95.521 105.671,96.521 106.671,96.521 107.671,96.521 108.671,96.521 109.671,96.521 106.641,97.521 107.671,97.521 109.671,97.521
AI0: D1.1 P1.24 | length 14.4
  Top Layer w0.254: D1.1@132.997,51.88 132.997,55.172 P1.24@140.843,63.017
AI1: D2.1 P1.22 | length 15.7
  Top Layer w0.254: D2.1@132.997,48.054 133.072,48.054 133.795,48.777 133.795,48.852 135.103,50.159 135.103,54.737 P1.22@140.843,60.477
AI2: D5.1 P1.20 | length 17
  Top Layer w0.254: D5.1@132.997,44.228 133.072,44.228 133.795,44.951 133.795,45.026 135.966,47.197 135.966,53.061 P1.20@140.843,57.937
AI3: D7.1 P1.18 | length 18.3
  Top Layer w0.254: D7.1@132.997,40.402 133.072,40.402 133.795,41.125 133.795,41.2 137.008,44.412 137.008,51.562 P1.18@140.843,55.397
AI4: D10.1 P1.16 | length 19.6
  Top Layer w0.254: D10.1@132.997,36.576 133.072,36.576 133.795,37.299 133.795,37.374 137.897,41.475 137.897,49.911 P1.16@140.843,52.857
AI5: P1.14
AI6: P1.12
AI7: P1.10
AI8: P1.8
AO_0: P1.4 U45.3 | length 45.3
  Top Layer w0.508: U45.3@114.144,13.818 131.934,13.818 135.389,17.273 135.389,32.164 P1.4@140.843,37.617
AO_BOOST: Q11.3 U11.20 | length 11.2
  Top Layer w0.381: U11.20@113.386,25.207 114.916,25.207 115.155,24.968 v1(115.189,24.968)
  Bottom Layer w0.381: Q11.3@111.009,18.787 111.009,20.814 111.379,21.184 113.738,21.184 115.189,22.634 v1(115.189,24.968)
AO_IOUT: C40.2 Q11.1 R72.1 U11.19 | length 9.9
  Top Layer w0.254: U11.19@113.386,24.557 114.77,24.557 114.993,24.333 v1(115.849,24.333)
  Bottom Layer w0.254: Q11.1@113.509,19.787 113.709,19.787 114.241,19.255 R72.1@115.414,19.255 115.414,20.744 115.849,21.18 v1(115.849,24.333)
DI_0: C108.2 D4.1 P3.8 U25.2 | length 35.8
  Top Layer w0.254: D4.1@115.875,134.648 115.897,134.626 v1(115.897,133.448) 115.897,131.289 115.57,130.962 115.57,129.187 U25.2@115.542,129.159 115.542,128.222 116.51,127.254 134.239,127.254 138.227,123.266 P3.8@140.741,123.266
  Bottom Layer w0.254: C108.2@115.889,135.431 115.889,133.455 v1(115.897,133.448)
DI_1: C56.2 D13.1 P3.6 U25.4 | length 39.5
  Top Layer w0.254: D13.1@112.649,134.673 112.624,134.648 v1(112.624,133.448) 112.624,133.379 113.002,133.001 U25.4@113.002,129.159 113.002,128.166 114.473,126.695 133.909,126.695 139.639,120.965 140.503,120.965 P3.6@140.741,120.726
  Bottom Layer w0.254: C56.2@112.616,135.431 112.616,133.455 v1(112.624,133.448)
DI_2: C63.2 D14.1 P3.4 U25.6 | length 43.5
  Top Layer w0.254: D14.1@109.347,134.648 109.351,134.644 v1(109.351,133.448) 110.462,132.337 U25.6@110.462,129.159 110.462,127.841 112.065,126.238 132.69,126.238 P3.4@140.741,118.186
  Bottom Layer w0.254: C63.2@109.343,135.431 109.343,133.455 v1(109.351,133.448)
DI_3: C65.2 D15.1 P3.2 U25.8 | length 48.2
  Top Layer w0.254: D15.1@106.045,134.648 106.078,134.615 v1(106.078,133.448) 107.922,131.604 U25.8@107.922,129.159 107.922,128.095 110.515,125.501 132.41,125.501 139.141,118.77 139.141,117.246 P3.2@140.741,115.646
  Bottom Layer w0.254: C65.2@106.07,135.431 106.078,135.424 v1(106.078,133.448)
DI_4: C76.2 D45.1 P3.16 U17.2 | length 17.7
  Top Layer w0.254: U17.2@129.893,129.286 129.893,132.582 v1(130.759,133.448) D45.1@130.759,134.648
  Bottom Layer w0.254: C76.2@130.752,135.431 130.752,133.455 v1(130.759,133.448) 130.77,133.437 140.731,133.437 P3.16@140.741,133.426
DI_5: C78.2 D16.1 P3.14 U17.4 | length 21.7
  Top Layer w0.254: U17.4@127.353,129.286 127.493,129.427 v1(127.493,133.448) 127.493,134.633 D16.1@127.508,134.648
  Bottom Layer w0.254: C78.2@127.486,135.431 127.486,133.455 v1(127.493,133.448) 128.48,132.461 139.167,132.461 P3.14@140.741,130.886
DI_6: C79.2 D17.1 P3.12 U17.6 | length 26.3
  Top Layer w0.254: D17.1@124.206,134.648 124.228,134.626 v1(124.228,133.448) 124.228,132.363 124.866,131.724 124.866,129.339 U17.6@124.813,129.286
  Bottom Layer w0.254: C79.2@124.221,135.431 124.221,133.455 v1(124.228,133.448) 125.672,132.004 137.084,132.004 P3.12@140.741,128.346
DI_7: C80.2 D18.1 P3.10 U17.8 | length 32.1
  Top Layer w0.254: D18.1@120.955,134.648 120.962,134.641 v1(120.962,133.448) 122.273,132.137 U17.8@122.273,129.286
  Bottom Layer w0.254: C80.2@120.955,135.431 120.955,133.455 v1(120.962,133.448) 122.99,131.42 136.093,131.42 138.557,128.956 138.557,126.848 139.598,125.806 P3.10@140.741,125.806
DI_IN0: R82.2 U25.16 U44.37 | length 112.7
  Top Layer w0.254: U44.37@60.732,54.317 68.439,54.317 v1(69.418,55.296) ; v1(78.277,104.439) 87.198,113.36 114.91,113.36 115.9,114.351 115.9,118.114 R82.2@116.888,119.102 116.812,119.178 U25.16@116.812,122.859
  Bottom Layer w0.254: v1@69.52,55.397 v1(69.418,55.296) 69.418,95.58 v1(78.277,104.439)
DI_IN1: R87.2 U25.14 U44.38 | length 110.1
  Top Layer w0.254: U44.38@60.732,54.817 67.847,54.817 v1(68.809,55.778) ; v1(78.054,105.334) 86.538,113.817 112.395,113.817 112.954,114.377 112.954,117.758 R87.2@114.297,119.102 114.272,119.127 U25.14@114.272,122.859
  Bottom Layer w0.254: v1(68.809,55.778) 68.809,61.544 ; 68.809,60.96 68.809,61.544 ; v1(78.054,105.334) 68.809,96.088 68.809,61.544
DI_IN2: R93.2 U25.12 U44.39 | length 107.5
  Top Layer w0.254: U44.39@60.732,55.317 67.255,55.317 v1(68.174,56.236) ; v1(78.029,106.375) 86.004,114.351 109.601,114.351 110.414,115.164 110.414,118.618 110.898,119.102 R93.2@111.707,119.102 111.732,119.127 U25.12@111.732,122.859
  Bottom Layer w0.254: v1(68.174,56.236) 68.224,56.286 68.224,62.027 ; 68.224,61.316 68.224,62.027 ; v1(78.029,106.375) 68.224,96.571 68.224,62.027
DI_IN3: R97.2 U25.10 U44.40 | length 104.6
  Top Layer w0.254: U44.40@60.732,55.817 66.714,55.817 v1(67.564,56.667) ; v1(77.978,107.442) 85.344,114.808 106.705,114.808 107.645,115.748 107.645,118.694 108.053,119.102 R97.2@109.192,119.102 U25.10@109.192,122.859
  Bottom Layer w0.254: v1(67.564,56.667) 67.564,62.408 ; 67.564,61.595 67.564,62.408 ; v1(77.978,107.442) 67.564,97.028 67.564,62.408
DI_IN4: R109.2 U17.16 U44.33 | length 127.8
  Top Layer w0.254: U44.33@60.732,52.317 71.113,52.317 v1(72.034,53.238) ; v1(78.41,99.568) 90.373,111.531 127.711,111.531 129.972,113.792 129.972,117.911 R109.2@131.163,119.102 U17.16@131.163,122.986
  Bottom Layer w0.254: v1(72.034,53.238) 72.111,53.315 72.111,59.284 72.111,93.269 v1(78.41,99.568)
DI_IN5: R114.2 U17.14 U44.34 | length 126
  Top Layer w0.254: U44.34@60.732,52.817 70.445,52.817 v1(71.425,53.797) ; v1(78.379,100.858) 89.51,111.989 126.924,111.989 127.737,112.801 127.737,118.089 R114.2@128.75,119.102 128.623,119.229 U17.14@128.623,122.986
  Bottom Layer w0.254: v1(71.425,53.797) 71.425,93.904 v1(78.379,100.858)
DI_IN6: R116.2 U17.12 U44.35 | length 122.4
  Top Layer w0.254: U44.35@60.732,53.317 69.852,53.317 v1@70.32,53.785 ; v1(78.359,102.21) 88.595,112.446 123.349,112.446 124.841,113.937 124.841,117.86 R116.2@126.083,119.102 U17.12@126.083,122.986
  Bottom Layer w0.254: v1(70.307,53.797) 70.891,54.381 70.891,94.742 v1(78.359,102.21)
DI_IN7: R118.2 U17.10 U44.36 | length 121.3
  Top Layer w0.254: U44.36@60.732,53.817 69.235,53.817 v1(70.18,54.762) ; v1(78.297,103.366) 79.07,104.14 ; 79.083,104.127 87.859,112.903 120.929,112.903 121.564,113.538 121.564,118.288 122.379,119.102 R118.2@123.416,119.102 123.543,119.229 U17.10@123.543,122.986
  Bottom Layer w0.254: v1(70.18,54.762) 70.18,61.57 ; 70.18,60.427 70.18,61.57 ; v1(78.297,103.366) 70.18,95.25 70.18,61.57
DI_IN8: U44.61
DI_IN9: U44.62